# Altium PCB Thermostat_8CH.PCBDOC (part 3 of 10) (continued)
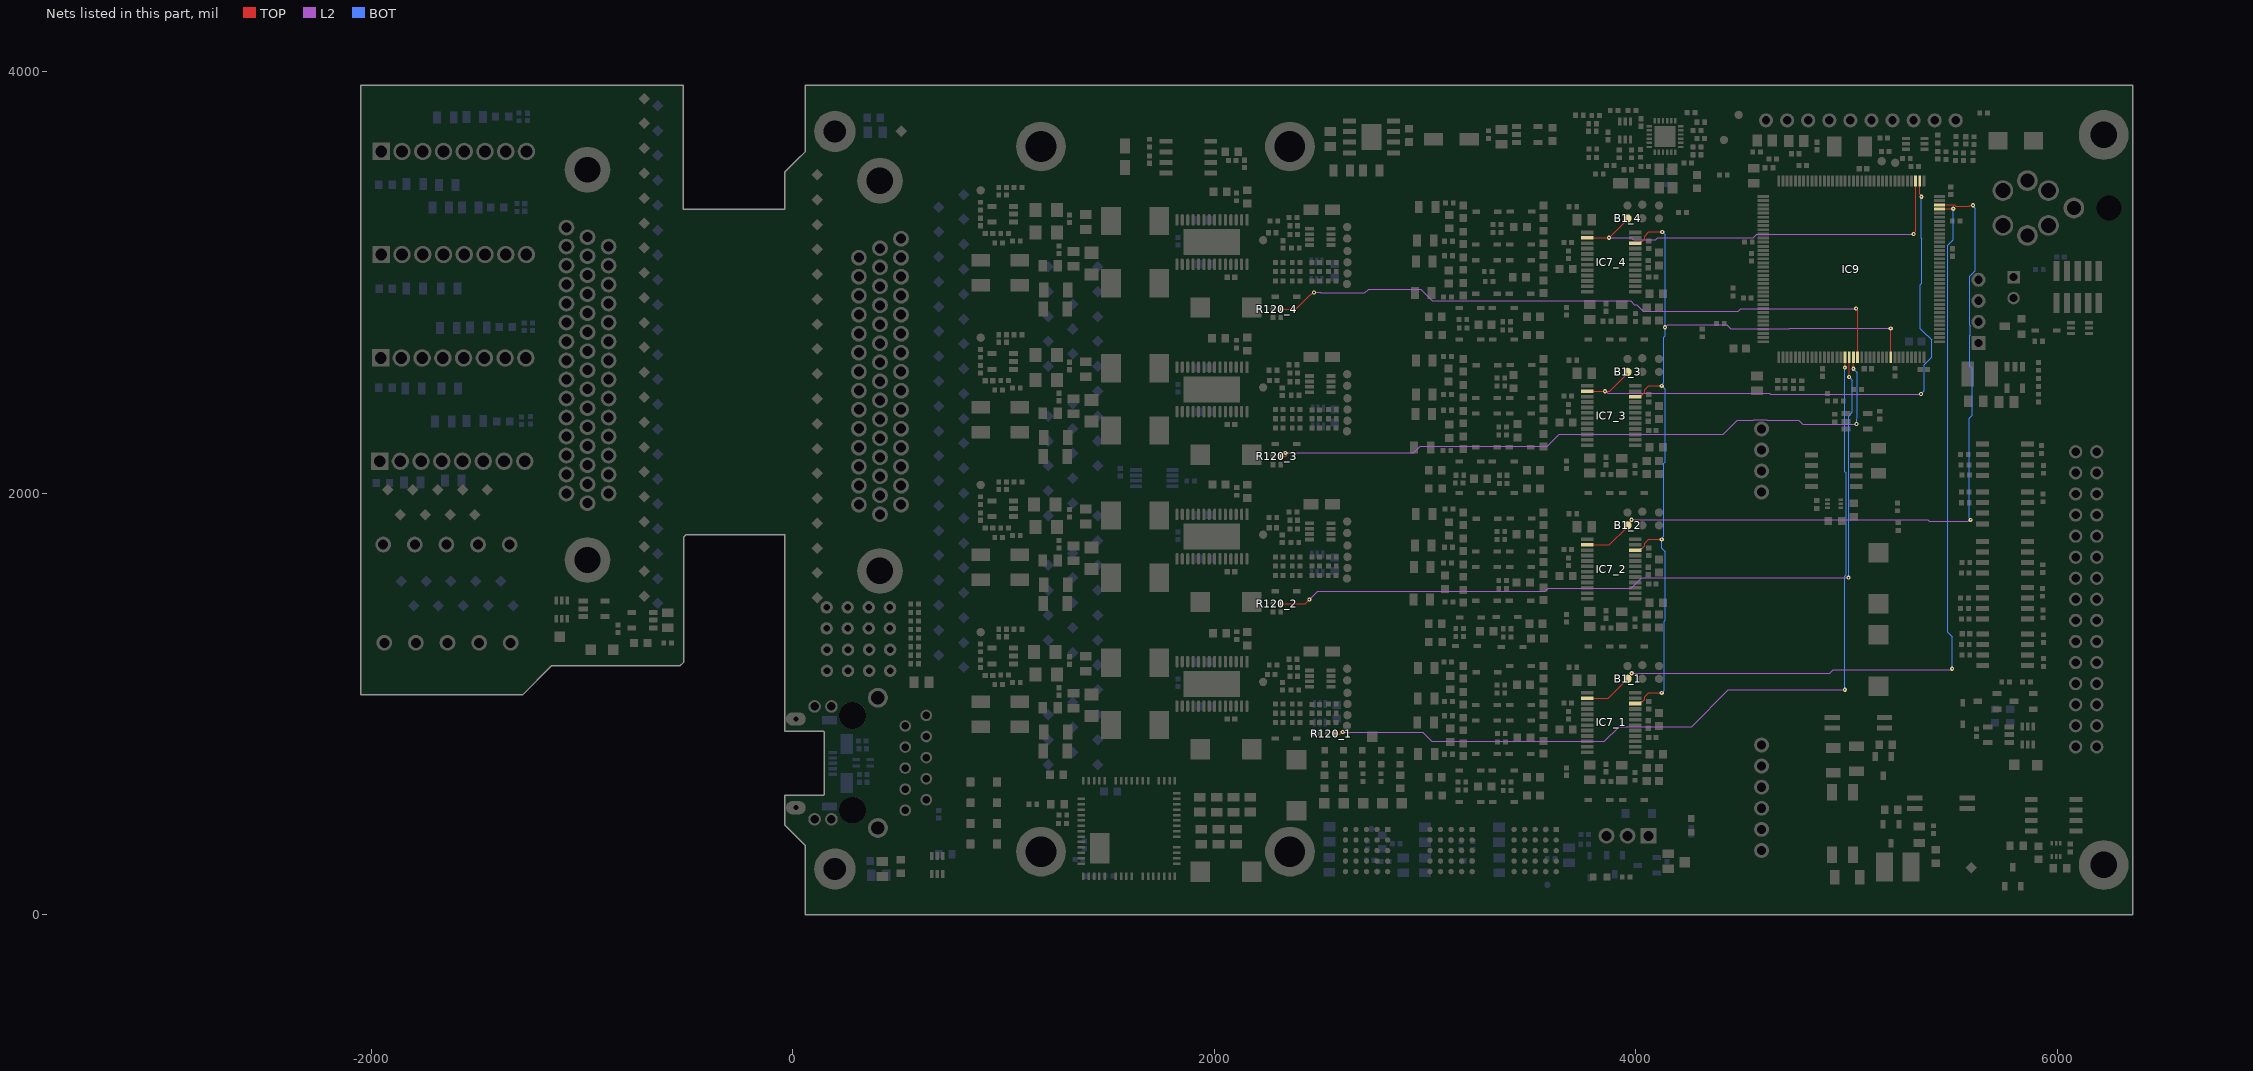
[diagram p5: the nets of this part, all layers, seen from the top]
## Part data (continued)
C29 C30 C31 C32 C33 C64 C94 C95 C96 C97 C98 C108 C109: library part CC0402_100NF_16V_10%_X7R, "Non-polarised capacitor", Case=0402, Manufacturer=GENERIC, Manufacturer1 ComponentHeight=0.55mm, Manufacturer1 Example=MURATA, Manufacturer1 Part Number=GRM155R71C104KA88D, Tolerance=±10%, Voltage=16V, Author="CERN DEM JLC", Component Type=Standard, CreateDate=05.12.2013, HelpURL=\\cern.ch\dfs\Applications\Altium\Datasheets\CC0402_X7R_MURATA_GRM.pdf, LatestRevisionDate=03.12.2007, Manufacturer Part Number=CC0402_100NF_16V_10%_X7R, Mounted=Yes, Part Description="SMD Multilayer Chip Ceramic Capacitor", Part Number=CC0402_100NF_16V_10%_X7R, Pin Count=2, Sense=No, SMD=Yes, Socket=No, Status="Not Recommended", TC=X7R
C34: library part CC0402_22PF_50V_5%_C0G, "Non-polarised capacitor", Case=0402, Manufacturer=GENERIC, Manufacturer1 ComponentHeight=0.55mm, Manufacturer1 Example=KEMET, Manufacturer1 Part Number=C0402C220J5GACTU, Tolerance=±5%, Voltage=50V, Author="CERN DEM JLC", Component Type=Standard, CreateDate=03.12.2007, HelpURL="\\cern.ch\dfs\Applications\Altium\Datasheets\CC0402_C0G_KEMET_(Commercial Grade).pdf", LatestRevisionDate=03.12.2007, Manufacturer Part Number=CC0402_22PF_50V_5%_C0G, Mounted=Yes, Part Description="SMD Multilayer Chip Ceramic Capacitor", Part Number=CC0402_22PF_50V_5%_C0G, Pin Count=2, Sense=No, SMD=Yes, Socket=No, Status=Preferred, TC=C0G/NP0
C36 C65: library part CC0402_18PF_50V_5%_C0G, "Non-polarised capacitor", Case=0402, Manufacturer=GENERIC, Manufacturer1 ComponentHeight=0.55mm, Manufacturer1 Example=KEMET, Manufacturer1 Part Number=C0402C180J5GACTU, Tolerance=±5%, Voltage=50V, Author="CERN DEM JLC", Component Type=Standard, CreateDate=04.10.2016, HelpURL="\\cern.ch\dfs\Applications\Altium\Datasheets\CC0805_C0G_KEMET_(Commercial Grade).pdf", LatestRevisionDate=04.10.2016, Manufacturer Part Number=CC0402_18PF_50V_5%_C0G, Mounted=Yes, Part Description="SMD Multilayer Chip Ceramic Capacitor", Part Number=CC0402_18PF_50V_5%_C0G, Pin Count=2, Sense=No, SMD=Yes, Socket=No, Status=Preferred, TC=C0G/NP0
C45_1 C45_2 C45_3 C45_4 C47_1 C47_2 C47_3 C47_4 C52_1 C52_2 C52_3 C52_4 C55_1 C55_2 C55_3 C55_4 C104_1 C104_2 C104_3 C104_4 C106_1 C106_2 C106_3 C106_4 C107_1 C107_2 C107_3 C107_4 C111_1 C111_2 C111_3 C111_4: library part CC0603_1NF_50V_5%_NP0, "Non-polarised capacitor", Case=0603, Manufacturer=GENERIC, Manufacturer1 ComponentHeight=0.9mm, Manufacturer1 Example="YAGEO PHYCOMP", Manufacturer1 Part Number=CC0603JRNPO9BN102, Tolerance=±5%, Voltage=50V, Author="CERN DEM JLC", Component Type=Standard, CreateDate=22.10.2012, HelpURL=\\cern.ch\dfs\Applications\Altium\Datasheets\CC0805_NP0_PHYCOMP_16VTO50V.pdf, LatestRevisionDate=22.10.2012, Manufacturer Part Number=CC0603_1NF_50V_5%_NP0, Mounted=Yes, Part Description="SMD Multilayer Chip Ceramic Capacitor", Part Number=CC0603_1NF_50V_5%_NP0, Pin Count=2, Sense=No, SMD=Yes, Socket=No, Status=Preferred, TC=C0G/NP0
C48_1 C48_2 C48_3 C48_4 C50_1 C50_2 C50_3 C50_4 C56_1 C56_2 C56_3 C56_4 C57_1 C57_2 C57_3 C57_4 C58_1 C58_2 C58_3 C58_4 C69_1 C69_2 C69_3 C69_4 C113 C115 C151 C152 C168_1 C168_2 C168_3 C168_4: library part CC0603_1UF_25V_10%_X7R, "Non-polarised capacitor", Case=0603, Manufacturer=GENERIC, Manufacturer1 ComponentHeight=0.9mm, Manufacturer1 Example=MURATA, Manufacturer1 Part Number=GRM188R71E105KA12D, Tolerance=±10%, Voltage=25V, Author="CERN DEM JLC", Component Type=Standard, CreateDate=18/01/2011, HelpURL=\\cern.ch\dfs\Applications\Altium\Datasheets\CC0603_X7R_MURATA.pdf, LatestRevisionDate=18/01/2011, Manufacturer Part Number=CC0603_1UF_25V_10%_X7R, Mounted=Yes, Part Description="SMD Multilayer Chip Ceramic Capacitor", Part Number=CC0603_1UF_25V_10%_X7R, Pin Count=2, Sense=No, SMD=Yes, Socket=No, Status=None, TC=X7R
C68_1 C68_2 C68_3 C68_4 C83_1 C83_2 C83_3 C83_4 C89 C162_1 C162_2 C162_3 C162_4: library part CC0402_10NF_25V_10%_X7R, "Non-polarised capacitor", Case=0402, Manufacturer=GENERIC, Manufacturer1 ComponentHeight=0.55mm, Manufacturer1 Example=TDK, Manufacturer1 Part Number=C1005X7R1E103KT, Tolerance=±10%, Voltage=25V, Author="CERN DEM JLC", Component Type=Standard, CreateDate=25/10/2012, HelpURL=\\cern.ch\dfs\Applications\Altium\Datasheets\CC0402_X7R_TDK_C.pdf, LatestRevisionDate=25/10/2012, Manufacturer Part Number=CC0402_10NF_25V_10%_X7R, Mounted=Yes, Part Description="SMD Multilayer Chip Ceramic Capacitor", Part Number=CC0402_10NF_25V_10%_X7R, Pin Count=2, Sense=No, SMD=Yes, Socket=No, Status=Preferred, TC=X7R
C87: library part CC0603_1UF_16V_10%_X7R, "Non-polarised capacitor", Case=0603, Manufacturer=GENERIC, Manufacturer1 ComponentHeight=0.9mm, Manufacturer1 Example="YAGEO PHYCOMP", Manufacturer1 Part Number=223878615663, Manufacturer Part Number=CC0603_1uF_16V_10%_X7R, Tolerance=±10%, Voltage=16V, Author="CERN DEM JLC", Component Type=Standard, CreateDate=03/12/2007, HelpURL=\\cern.ch\dfs\Applications\Altium\Datasheets\CC0603_X7R_PHYCOMP.pdf, LatestRevisionDate=17/04/2015, Mounted=Yes, Part Description="SMD Multilayer Chip Ceramic Capacitor", Part Number=CC0603_1UF_16V_10%_X7R, Pin Count=2, Sense=No, SMD=Yes, Socket=No, Status=None, TC=X7R
C100: library part CC0402_1NF_50V_10%_X7R, "Non-polarised capacitor", Case=0402, Manufacturer=GENERIC, Manufacturer1 ComponentHeight=0.55mm, Manufacturer1 Example=PHYCOMP, Manufacturer1 Part Number=223858715623, Tolerance=±10%, Voltage=50V, Author="CERN DEM JLC", Component Type=Standard, CreateDate=03/12/2007, HelpURL=\\cern.ch\dfs\Applications\Altium\Datasheets\CC0402_X7R_PHYCOMP.pdf, LatestRevisionDate=03/12/2007, Manufacturer Part Number=CC0402_1NF_50V_10%_X7R, Mounted=Yes, Part Description="SMD Multilayer Chip Ceramic Capacitor", Part Number=CC0402_1NF_50V_10%_X7R, Pin Count=2, Sense=No, SMD=Yes, Socket=No, Status="Not Recommended", TC=X7R
C102 C103 C160 C161: library part CC0805_NO-VALUE, "Non-polarised capacitor", Case=0805, Manufacturer1 ComponentHeight=1.35mm, Author="CERN DEM JLC", Component Type=Standard, CreateDate=10.12.2008, HelpURL=Undefined, LatestRevisionDate=11.09.2013, Manufacturer=Undefined, Manufacturer Part Number=CC0805_NO-VALUE, Mounted=No, Part Description="Reserved Footprint For 0805(2012) Chip Ceramic Capacitor", Part Number=CC0805_NO-VALUE, Pin Count=2, Sense=No, SMD=Yes, Socket=No, Status=None
C118: library part CC0603_2.2NF_50V_5%_C0G, "Non-polarised capacitor", Case=0603, Manufacturer=GENERIC, Manufacturer1 ComponentHeight=0.9mm, Manufacturer1 Example=TDK, Manufacturer1 Part Number=C1608C0G1H222J080AA, Tolerance=±5%, Voltage=50V, Author="CERN DEM JMW", Component Type=Standard, CreateDate=23.06.2014, HelpURL=\\cern.ch\dfs\Applications\Altium\Datasheets\CC0603_C0G_TDK_C.pdf, LatestRevisionDate=23.06.2014, Manufacturer Part Number=CC0603_2.2NF_50V_5%_C0G, Mounted=Yes, Part Description="SMD Multilayer Chip Ceramic Capacitor", Part Number=CC0603_2.2NF_50V_5%_C0G, Pin Count=2, Sense=No, SMD=Yes, Socket=No, Status=Preferred, TC=C0G/NP0
C120_1 C120_2 C120_3 C120_4 C121_1 C121_2 C121_3 C121_4: library part CC0603_100NF_50V_10%_X5R, "Non-polarised capacitor", Case=0603, Manufacturer=GENERIC, Manufacturer1 ComponentHeight=0.9mm, Manufacturer1 Example=TDK, Manufacturer1 Part Number=C1608X5R1H104K080, Tolerance=±10%, Voltage=50V, Author="CERN DEM MR", Component Type=Standard, CreateDate=08.01.2016, HelpURL=\\cern.ch\dfs\Applications\Altium\Datasheets\CC0603_X5R_TDK_C.pdf, LatestRevisionDate=08.01.2016, Manufacturer Part Number=CC0603_100NF_50V_10%_X5R, Mounted=Yes, Part Description="SMD Multilayer Chip Ceramic Capacitor", Part Number=CC0603_100NF_50V_10%_X5R, Pin Count=2, Sense=No, SMD=Yes, Socket=No, Status=None, TC=X5R
C157 C158 C164: library part CC0805_47UF_10V_20%_X5R, "Non-polarised capacitor", Case=0805, Manufacturer=GENERIC, Manufacturer1 ComponentHeight=1.45mm, Manufacturer1 Example=MURATA, Manufacturer1 Part Number=GRM21BR61A476ME15, Tolerance=±20%, Voltage=10V, Author="CERN DEM BC", Component Type=Standard, CreateDate=08.09.2020, HelpURL=\\cern.ch\dfs\Applications\Altium\Datasheets\CC0805_MURATA_GRM21BR61A476ME15.pdf, LatestRevisionDate=08.09.2020, Manufacturer Part Number=CC0805_47UF_10V_20%_X5R, Mounted=Yes, Part Description="SMD Multilayer Chip Ceramic Capacitor", Part Number=CC0805_47UF_10V_20%_X5R, Pin Count=2, Sense=No, SMD=Yes, Socket=No, Status=Preferred, TC=X5R
D1_1 D1_2 D1_3 D1_4 D2 D5 D28: "Schottky Diode", Case=SOD323, Manufacturer=INFINEON, Power=750mA, Voltage=40V, Author="CERN DEM JLC", Bonding=No, Component Type=Standard, ComponentHeight=1.1mm, CreateDate=12.11.2014, Device=BAT165, HelpURL=\\cern.ch\dfs\Applications\Altium\Datasheets\BAT165.pdf, LatestRevisionDate=12.11.2014, Manufacturer Part Number=BAT165, Mounted=Yes, Part Description="Medium Power AF Schottky Diode", Part Number=BAT165, Pin Count=2, PressFit=No, Sense=No, SMD=Yes, Socket=No
  D1_1 D1_2 D1_3 D1_4 D2 D5: PackageDescription="Small Outline Diode Flat Lead (SOD-323), 1.70mm W X 1.25mm L X 1.10mm H body,  IPC Medium Density"
  D28: PackageDescription="Small Outline Diode (SOD-323), 1.70mm W X 1.25mm L X 1.10mm H body,  IPC Medium Density"
D3 D4 D21 D26: library part D_TVS_DRTR5V0U4S-7, "Integrated Quad Ultra-Low Capacitance ESD Protection", Case=SOT363, Manufacturer=DIODES, Author=GK, Bonding=No, Component Type=Standard, ComponentHeight=1.1mm, CreateDate=24.01.2017, Device=DRTR5V0U4S-7, HelpURL=\\cern.ch\dfs\Applications\Altium\Datasheets\PRTR5V0U4Y.pdf, LatestRevisionDate=14.09.2020, Manufacturer Part Number=DRTR5V0U4S-7, Mounted=Yes, PackageDescription="SOT363, SC70-6, 0.65mm Pitch; 6 Pin, 1.25mm W X 2.00mm L X 1.10mm H body, IPC Medium Density", Part Description="Integrated Quad Ultra-Low Capacitance ESD (±8kV) Protection", Part Number=DRTR5V0U4S-7, Pin Count=6, PressFit=No, Sense=No, SMD=Yes, Socket=No, Status=Active, Status Comment=Active
D6 D7 D8 D9 D10 D11 D12 D22 D23: "Schottky Diode", Case=SOD123, Manufacturer="NXP SEMICONDUCTORS", Power=2A, Voltage=60V, Author="CERN DEM JMW", Bonding=No, ComponentHeight=0.65mm, Component Type=Standard, CreateDate=19.06.2014, Device=PMEG6020ER, HelpURL=\\cern.ch\dfs\Applications\Altium\Datasheets\PMEG6020ER.pdf, LatestRevisionDate=19.06.2014, Manufacturer Part Number=PMEG6020ER, Mounted=Yes, PackageDescription="SODFL Diode (SOD123W); 2.60mm W X 1.70mm L X 1.10mm H body, IPC Medium Density", Part Description="MEGA Schottky Barrier Rectifier", Part Number=PMEG6020ER, Pin Count=2, PressFit=No, Sense=No, SMD=Yes, Socket=No
D13_1 D13_2 D13_3 D13_4 D14_1 D14_2 D14_3 D14_4 D15_1 D15_2 D15_3 D15_4 D16_1 D16_2 D16_3 D16_4 D17_1 D17_2 D17_3 D17_4 D18_1 D18_2 D18_3 D18_4 D19_1 D19_2 D19_3 D19_4 D20_1 D20_2 D20_3 D20_4 D29_1 D29_2 D29_3 D29_4 D30_1 D30_2 D30_3 D30_4 D31_1 D31_2 D31_3 D31_4 D32_1 D32_2 D32_3 D32_4 D33_1 D33_2 D33_3 D33_4 D34_1 D34_2 D34_3 D34_4: "Diode", Case=SOD323, Manufacturer="NXP SEMICONDUCTORS", Power=200mA, Voltage=75V, Author="CERN DEM JLC", Bonding=No, Component Type=Standard, ComponentHeight=1.1mm, CreateDate=01/10/2013, Device=BAS416, HelpURL=\\cern.ch\dfs\Applications\Altium\Datasheets\BAS416.pdf, LatestRevisionDate=01/10/2013, Manufacturer Part Number=BAS416, Mounted=Yes, PackageDescription="Small Outline Diode (SOD-323), 1.70mm W X 1.25mm L X 1.10mm H body,  IPC Medium Density", Part Description="Low-Leakage Diode", Part Number=BAS416, Pin Count=2, PressFit=No, Sense=No, SMD=Yes, Socket=No
D24: "Zener Diode", Case=DO-214AA, Manufacturer="FAIRCHILD SEMICONDUCTOR", Power=600W, Voltage=15V, Author="CERN DEM JLC", Bonding=No, Component Type=Standard, ComponentHeight=2.65mm, CreateDate=08.12.2008, Device=SMBJ15A, HelpURL=\\cern.ch\dfs\Applications\Altium\Datasheets\SMBJ.pdf, LatestRevisionDate=19.12.2011, Manufacturer Part Number=SMBJ15A, Mounted=Yes, PackageDescription="DO-214-AA/SMB Diode, Molded Body; 5.34mm L X 3.625mm W X 2.65mm H, IPC Medium Density", Part Description="Uni-Directional Transient Voltage Suppressor Diode", Part Number=SMBJ15A, Pin Count=2, PressFit=No, Sense=No, SMD=Yes, Socket=No
D25: library part D_Zener_1SMA5920BT3G, "6.2V 1.5 Watt Plastic Surface Mount Zener Voltage Regulators", Case=DO-214AC, Manufacturer="ON SEMICONDUCTOR", Power=1.5W, Voltage=6.2V, Author=GK, Bonding=No, Component Type=Standard, ComponentHeight=2.20mm, CreateDate=16/02/2018, Device=1SMA5920BT3G, HelpURL=\\cern.ch\dfs\Applications\Altium\Datasheets\1SMA5913BT3G.pdf, LatestRevisionDate=16/02/2018, Manufacturer Part Number=1SMA5920BT3G, Mounted=Yes, PackageDescription="DO-214-AC/SMA Diode, Molded Body; 5.21mm L X 2.60mm W X 2.20mm H, IPC Medium Density", Part Description="Zener Voltage Regulators", Part Number=1SMA5920BT3G, Pin Count=2, PressFit=No, Sense=No, SMD=Yes, Socket=No
D27 D36: "Integrated Quad Ultra-Low Capacitance ESD Protection", Case=SOT363, Manufacturer=DIODES, Author=GK, Bonding=No, Component Type=Standard, ComponentHeight=1.1mm, CreateDate=24.01.2017, Device=DRTR5V0U4S-7, HelpURL=\\cern.ch\dfs\Applications\Altium\Datasheets\PRTR5V0U4Y.pdf, LatestRevisionDate=14.09.2020, Manufacturer Part Number=DRTR5V0U4S-7, Mounted=Yes, PackageDescription="SOT363, SC70-6, 0.65mm Pitch; 6 Pin, 1.25mm W X 2.00mm L X 1.10mm H body, IPC Medium Density", Part Description="Integrated Quad Ultra-Low Capacitance ESD (±8kV) Protection", Part Number=DRTR5V0U4S-7, Pin Count=6, PressFit=No, Sense=No, SMD=Yes, Socket=No, Status=Active, Status Comment=Active
FB1 FB2 L5 L7 L10 L11 L12 L13: library part IND0402_MURATA_BLM15HB221SN1, Case=0402, Manufacturer=MURATA, Manufacturer Part Number=BLM15HB221SN1, Power=250mA, Resistance=1R, Tolerance=±25%, Author="CERN DEM JLC", ComponentHeight=0.55mm, Component Type=Standard, CreateDate=23.06.2009, HelpURL=\\cern.ch\dfs\Applications\Altium\Datasheets\IND0402_MURATA_BLM15H.pdf, LatestRevisionDate=25.10.2018, Mounted=Yes, Part Description="SMD EMIFIL Suppression Chip Ferrite Bead", Part Number=IND0402_MURATA_BLM15HB221SN1, Pin Count=2, Sense=No, SMD=Yes, Socket=No, Status=None
FTG1 FTG2 FTG3 FTG4: library part FIDUCIAL_TARGET_S100-200, "Fiducial Target", Author="CERN DEM JLC", Component Type="Standard (No BOM)", ComponentHeight=0mm, CreateDate=09.02.2010, Family=Fiducial, HelpURL=Undefined, LatestRevisionDate=04.04.2012, Mounted=No, PackageDescription="Square Fiducial Target, Top Layer, 1.0mm, Top Solder 2.0mm, Keepout =2.0mm", Part Description="Square Fiducial Target, Top Layer, 1.0mm, Top Solder 2.0mm, Keepout =2.0mm", Part Number=FIDUCIAL_TARGET_S100-200, Pin Count=1, Sense=No, SMD=Yes, Socket=No, Status=None
IC1: "Digital Temperature Sensor and Thermal Watchdog with Two-Wire Interface", Case=SSOP8, Manufacturer="TEXAS INSTRUMENTS", Author="CERN DEM JLC", Bonding=No, Component Type=Standard, ComponentHeight=1.09mm, CreateDate=15.10.2012, Device=LM75AIMM/NOPB, HelpURL=\\cern.ch\dfs\Applications\Altium\Datasheets\LM75AIMM-NOPB.pdf, LatestRevisionDate=15.10.2012, Manufacturer Part Number=LM75AIMM/NOPB, Mounted=Yes, PackageDescription="SOP, 0.65mm pitch; 8 pin,3.00mm W X 3.00mm L X 1.09mm H bodyI, PC Medium Density", Part Description="-25° to +100°C ±2°C Digital Temperature Sensor and Thermal Watchdog with Two-Wire Interface", Part Number=LM75AIMM/NOPB, Pin Count=8, PressFit=No, Sense=No, SMD=Yes, Socket=No
IC2 IC28: "1.7V-5.5V, 2K I2C Serial EEPROM With EUI-48 Node Identity", Case=SOT23-5, Manufacturer="MICROCHIP TECHNOLOGY", Author="CERN DEM MR", Bonding=No, Component Type=Standard, ComponentHeight=1.45mm, CreateDate=31.03.2016, Device=24AA02E48T-I/OT, HelpURL=\\cern.ch\dfs\Applications\Altium\Datasheets\24AA02E48T-I-OT.pdf, LatestRevisionDate=31.03.2016, Manufacturer Part Number=24AA02E48T-I/OT, Mounted=Yes, PackageDescription="SOT, 0.95mm pitch; 5 pin, 1.60mm W X 2.90mm L X 1.45mm H body, IPC Medium Density", Part Description="1.7V-5.5V, 2K I2C Serial EEPROM With EUI-48 Node Identity", Part Number=24AA02E48T-I/OT, Pin Count=5, PressFit=No, Sense=No, SMD=Yes, Socket=No
IC3: "Power-over-Ethernet Plus (POE+) Module", Manufacturer=SILVERTEL, Author="CERN DEM JLC", Bonding=No, Component Type=Standard, ComponentHeight=14mm, CreateDate=20.03.2018, Device=AG5300, HelpURL=\\cern.ch\dfs\Applications\Altium\Datasheets\AG5300.pdf, LatestRevisionDate=20.03.2018, Manufacturer Part Number=AG5300, Mounted=Yes, PackageDescription="Power-over-Ethernet Plus (POE+) Module, Body L 57.3mm x W 18mm x H 14mm", Part Description="12V 30W Power-over-Ethernet Plus (POE+)", Part Number=AG5300, Pin Count=10, PressFit=No, Sense=No, SMD=No, Socket=No
IC4 IC6: "Single Optocoupler", Case=SOIC4, Manufacturer="AVAGO TECHNOLOGIES", Author="CERN DEM JLC", Bonding=No, Component Type=Standard, ComponentHeight=2.42mm, CreateDate=11.11.2014, Device=ACPL-217-500E, HelpURL=\\cern.ch\dfs\Applications\Altium\Datasheets\ACPL-217-500E.pdf, LatestRevisionDate=11.11.2014, Manufacturer Part Number=ACPL-217-500E, Mounted=Yes, PackageDescription="SOIC, 1.27mm, pitch; 4 pin, 2.60mm W X 4.40mm L X 2.42mm H body, IPC Medium Density", Part Description="DC Input, Half-Pitch Phototransistor Optocoupler", Part Number=ACPL-217-500E, Pin Count=4, PressFit=No, Sense=No, SMD=Yes, Socket=No, Status="Not Recommended"
IC5_1 IC5_2 IC5_3 IC5_4: library part DAC_AD5680BRJZ, "5V 18-Bit nanoDAC®in a SOT-23", Case=SOT-23-8, Manufacturer="ANALOG DEVICES", Author=GK, Bonding=No, Component Type=Standard, ComponentHeight=0.8mm, CreateDate=21.08.2017, Device=AD5680BRJZ-1500RL7, HelpURL=\\cern.ch\dfs\Applications\Altium\Datasheets\AD5686BCPZ.pdf, LatestRevisionDate=21.08.2017, Manufacturer Part Number=AD5680BRJZ-1500RL7, Mounted=Yes, PackageDescription="TSOP, 8-Leads, Body 2,90x1,60mm, Pitch 0,65mm, IPC Medium Density", Part Description="5V 18-Bit nanoDAC®in a SOT-23", Part Number=AD5680BRJZ-1500RL7, Pin Count=17, PressFit=No, Sense=No, SMD=Yes, Socket=No
IC7_1 IC7_2 IC7_3 IC7_4: library part ADC_AD7172-2, "32-Bit, 10 kSPS, Sigma-Delta ADC with 100 µs Settling and True Rail-to-Rail Buffers", Case=TSSOP24, Manufacturer="ANALOG DEVICES", Author=GK, Bonding=No, Component Type=Standard, ComponentHeight=1.2mm, CreateDate=14/12/2017, Device=AD7172-2BRUZ, HelpURL=\\cern.ch\dfs\Applications\Altium\Datasheets\AD7177-2BRUZ.pdf, LatestRevisionDate=14/12/2017, Manufacturer Part Number=AD7172-2BRUZ, Mounted=Yes, PackageDescription="SOP, 0.65mm Pitch; 24 Pin, 4.40mm W X 5.00mm L X 1.20mm H Body IPC Medium Density", Part Description="Low Power, 24-Bit, 31.25 kSPS, Sigma-DeltaADC with True Rail-to-Rail Buffers", Part Number=AD7172-2BRUZ, Pin Count=24, PressFit=No, Sense=No, SMD=Yes, Socket=No
IC8_1 IC8_2 IC8_3 IC8_4: library part DRV_MAX1968, "Power peltier driver. bipolar", Supplier Part Number 1=7328863, LatestRevisionDate=17-Jul-2002, LatestRevisionNote="Re-released for DXP Platform.", Publisher="Altium Limited", Supplier 1=RS, Supplier Currency 1=GBP, Supplier Unit Price 1=14.75
IC9: library part CMP-12105-000003-1, "IC MCU 32BIT 2MB FLASH 144LQFP", Ambient Temperature Range High=+85°C, Ambient Temperature Range Low=-40°C, Frequency=400MHz, Manufacturer=STMicroelectronics, Max Junction Temp=+125°C, Max Supply Voltage=3.6V, Min Supply Voltage=1.62V, Package=LQFP144-1A, Temperature="-40°C to +85°C", Automotive=No, Category=IC, ComponentLink2Description=Datasheet, ComponentLink2URL=https://www.st.com/resource/en/datasheet/stm32h743zi.pdf, Core Architecture="ARM Cortex-M7", Data Bus Width=32bits, Device Class L1="Integrated Circuits (ICs)", Device Class L2="Embedded Processors and Controllers", Device Class L3=Microcontrollers, Digikey Description="IC MCU 32BIT 2MB FLASH 144LQFP", Height=1.6mm, Interface=I2C,SPI,UART,USART,EBI/EMI,CAN,USB,LIN,IrDA,Other, Ipc Land Pattern Name=QFP50P2200X2200X160-144, Lead Free=Yes, Manufacturer Part Number=STM32H743ZIT6, Memory Size=2MBytes, Memory Type=FLASH, Mouser Description="MCU 32-Bit STM32 ARM Cortex M7 RISC 2MB Flash 1.8V/2.5V/3.3V 144-Pin LQFP Tray", Number Of A/D Converters=2, Number Of Adc Channels=36, Number Of Cores=1, Number Of I2C Channels=4, Number Of I/Os=114, Number Of Pwm Channels=2, Number Of Spi Channels=6, Number Of Timers/Counters=22, Number Of Uart Channels=4, Number Of Usb Channels=2, Octopart=https://octopart.com/stm32h743zit6-stmicroelectronics-76372529, Ram Size=1MBytes, RoHS=TRUE, Standoff Height=0.05mm, Temperature Range High=+85°C, Temperature Range Low=-40°C
IC11: library part IFC_LAN8742A, "LAN8742A-CZ-TR - Small Footprint RMII 10/100 Ethernet, Transceiver with HP Auto-MDIX and flexPWR Technology SQFN-24", Manuf_1=MICROCHIP, Distrib=MICROCHIP, Manuf_Part_1=LAN8742A-CZ-TR, Order=LAN8742A-CZ-TR
IC12 IC33: "Ultralow Noise, 150 mA CMOS Linear Regulator", Case=SOT23, Manufacturer="ANALOG DEVICES", Author="CERN DEM JLC", Bonding=No, Component Type=Standard, ComponentHeight=0.9mm, CreateDate=27/09/2011, Device=ADP150AUJZ-3.3-R7, HelpURL=\\cern.ch\dfs\Applications\Altium\Datasheets\ADP150AUJZ-3.3-R7.pdf, LatestRevisionDate=19/06/2014, Manufacturer Part Number=ADP150AUJZ-3.3-R7, Mounted=Yes, PackageDescription="SOT23, 0.95mm pitch; 5 pin, 1.75mm W X 3.00mm L, IPC Medium Density", Part Description="3.3V, 150mA, Ultralow Noise, CMOS Linear Regulator", Part Number=ADP150AUJZ-3.3-R7, Pin Count=5, PressFit=No, Sense=No, SMD=Yes, Socket=No
IC13: library part VMON_STM809, "2.93V  Reset circuit"
IC14_1 IC14_2 IC14_3 IC14_4: "Operational Amplifier", Case=SOT23-5, Manufacturer="ST MICROELECTRONICS", Author="CERN DEM MR", Bonding=No, ComponentHeight=1.45mm, Component Type=Standard, CreateDate=02.10.2017, Device=LMV321ILT, HelpURL=\\cern.ch\dfs\Applications\Altium\Datasheets\LMV321ILT.pdf, LatestRevisionDate=02.10.2017, Manufacturer Part Number=LMV321ILT, Mounted=Yes, PackageDescription="SOT, 0.95mm pitch; 5 pin, 1.60mm W X 2.90mm L X 1.45mm H body, IPC Medium Density", Part Description="Low Cost, Low Power, Input/Output Rail-To-Rail Operational Amplifiers", Part Number=LMV321ILT, Pin Count=5, PressFit=No, Sense=No, SMD=Yes, Socket=No
IC15: library part PM_MIC45212-1, "0.8V to 85% PVIN (4.5...26V), 14A Synchronous Step-Down Regulator Module", Manufacturer="MICROCHIP TECHNOLOGY", Author=GK, Bonding=No, Component Type=Standard, ComponentHeight=3mm, CreateDate=15.08.2016, Device=MIC45212-1YMP-T1, HelpURL=\\cern.ch\dfs\Applications\Altium\Datasheets\MIC45116-1YMP.pdf, LatestRevisionDate=15.08.2016, Manufacturer Part Number=MIC45212-1YMP-T1, Mounted=Yes, PackageDescription=MICROCHIP_QFN64_12X12, Part Description="0.8V to 85% PVIN (4.5...26V), 14A Synchronous Step-Down Regulator Module", Part Number=MIC45212-1YMP-T1, Pin Count=64, PressFit=No, Sense=No, SMD=Yes, Socket=No
IC16: "3.000V ±0.05% 3ppm/°C Ultralow Noise XFET Voltage Reference with Current Sink and Source Capability", Case=SOIC8, Manufacturer="ANALOG DEVICES", Author="CERN DEM JMW", Bonding=No, Component Type=Standard, ComponentHeight=1.75mm, CreateDate=30.07.2014, Device=ADR433BRZ, HelpURL=\\cern.ch\dfs\Applications\Altium\Datasheets\ADR433BRZ.pdf, LatestRevisionDate=30.07.2014, Manufacturer Part Number=ADR433BRZ, Mounted=Yes, PackageDescription="SOIC 8, Pitch 1.27mm, Body 4x5mm, IPC Medium Density", Part Description="3V Output,  ±1.5mV ±0.05% Accuracy, 3ppm/°C Ultralow Noise XFET Voltage Reference with Current Sink and Source Capability", Part Number=ADR433BRZ, Pin Count=6, PressFit=No, Sense=No, SMD=Yes, Socket=No
IC17: "1.5A High Efficiency Step-Down Converter, Adjustable Output Voltage", Case=SOT23-5, Manufacturer="TEXAS INSTRUMENTS", Author="CERN DEM JMW", Bonding=No, Component Type=Standard, ComponentHeight=1.45mm, CreateDate=29.08.2016, Device=TLV62565DBVT, HelpURL=\\cern.ch\dfs\Applications\Altium\Datasheets\TLV62565DBVT.pdf, LatestRevisionDate=29.08.2016, Manufacturer Part Number=TLV62565DBVT, Mounted=Yes, PackageDescription="SOT, 0.95mm Pitch; 5 Pin, 1.60mm W X 2.90mm L X 1.45mm H Body, IPC Medium Density", Part Description="1.5A High Efficiency Step-Down Converter, Adjustable Output Voltage", Part Number=TLV62565DBVT, Pin Count=5, PressFit=No, Sense=No, SMD=Yes, Socket=No
IC18: "300 mA, Low Noise, CMOS LDO Linear Regulator", Case=SOIC8, Manufacturer="ANALOG DEVICES", Author="CERN DEM JLC", Bonding=No, Component Type=Standard, ComponentHeight=1.75mm, CreateDate=17.03.2014, Device=ADP7102ARDZ-5.0-R7, HelpURL=\\cern.ch\dfs\Applications\Altium\Datasheets\ADP7102ARDZ-5.0-R7.pdf, LatestRevisionDate=17.03.2014, Manufacturer Part Number=ADP7102ARDZ-5.0-R7, Mounted=Yes, PackageDescription="SOIC 8, Pitch 1.27mm - Body 3.9x4.9mm, (w/thermal tab 2.41mm X 3.098mm), IPC Medium Density", Part Description="5V, 300mA, Low Noise, CMOS LDO Linear Regulator", Part Number=ADP7102ARDZ-5.0-R7, Pin Count=8, PressFit=No, Sense=No, SMD=Yes, Socket=No
IC19 IC29 IC31 IC39 IC41: "3.3V LVDS 2-Bit High-Speed Differential Reciever", Case=SOIC8, Manufacturer="ON Semiconductor", Author=GK, Bonding=No, Component Type=Standard, ComponentHeight=0.8mm, CreateDate=08/11/2016, Device=FIN1028MX, HelpURL=\\cern.ch\dfs\Applications\Altium\Datasheets\FIN1101K8X.pdf, LatestRevisionDate=08/11/2016, Manufacturer Part Number=FIN1028MX, Mounted=Yes, PackageDescription="SOIC 8, Pitch 1.27mm - Body 4x5mm, IPC Medium Density", Part Description="3.3V LVDS 2-Bit High-Speed Differential Reciever", Part Number=FIN1028MX, Pin Count=8, PressFit=No, Sense=No, SMD=Yes, Socket=No
IC22: library part AMP_LT6106, "Current Shunt Monitor -16V to +80V Common-Mode Range", Case=SOT23-5, Manufacturer="ANALOG DEVICES", Author=GK, Bonding=No, Component Type=Standard, ComponentHeight=1.45mm, CreateDate=10.05.2010, Device=LT6106CS5#TRMPBF, HelpURL=\\cern.ch\dfs\Applications\Altium\Datasheets\INA194AIDBVT.pdf, LatestRevisionDate=10.05.2010, Manufacturer Part Number=LT6106CS5#TRMPBF, Mounted=Yes, PackageDescription="SOT, 0.95mm pitch; 5 pin, 1.60mm W X 2.90mm L X 1.45mm H body, IPC Medium Density", Part Description="36V Low Cost High Side Current Sense in a SOT-23", Part Number=LT6106CS5#TRMPBF, Pin Count=5, PressFit=No, Sense=No, SMD=Yes, Socket=No